# Altium PCB CM3_IO_V1.3_20220317.PcbDoc (part 3 of 7)
Units mil, origin at the board's own origin, x right, y up, seen from the top; angles counter-clockwise.
Board outline 6299.61 x 3544.09 mil, 4 copper layers (Top, GND, Power, Bottom), stack 35.4 mil thick; 551 components, 415 nets, 1958 pads, 2673 vias.
Unrouted connection lines stored in the file: 298.
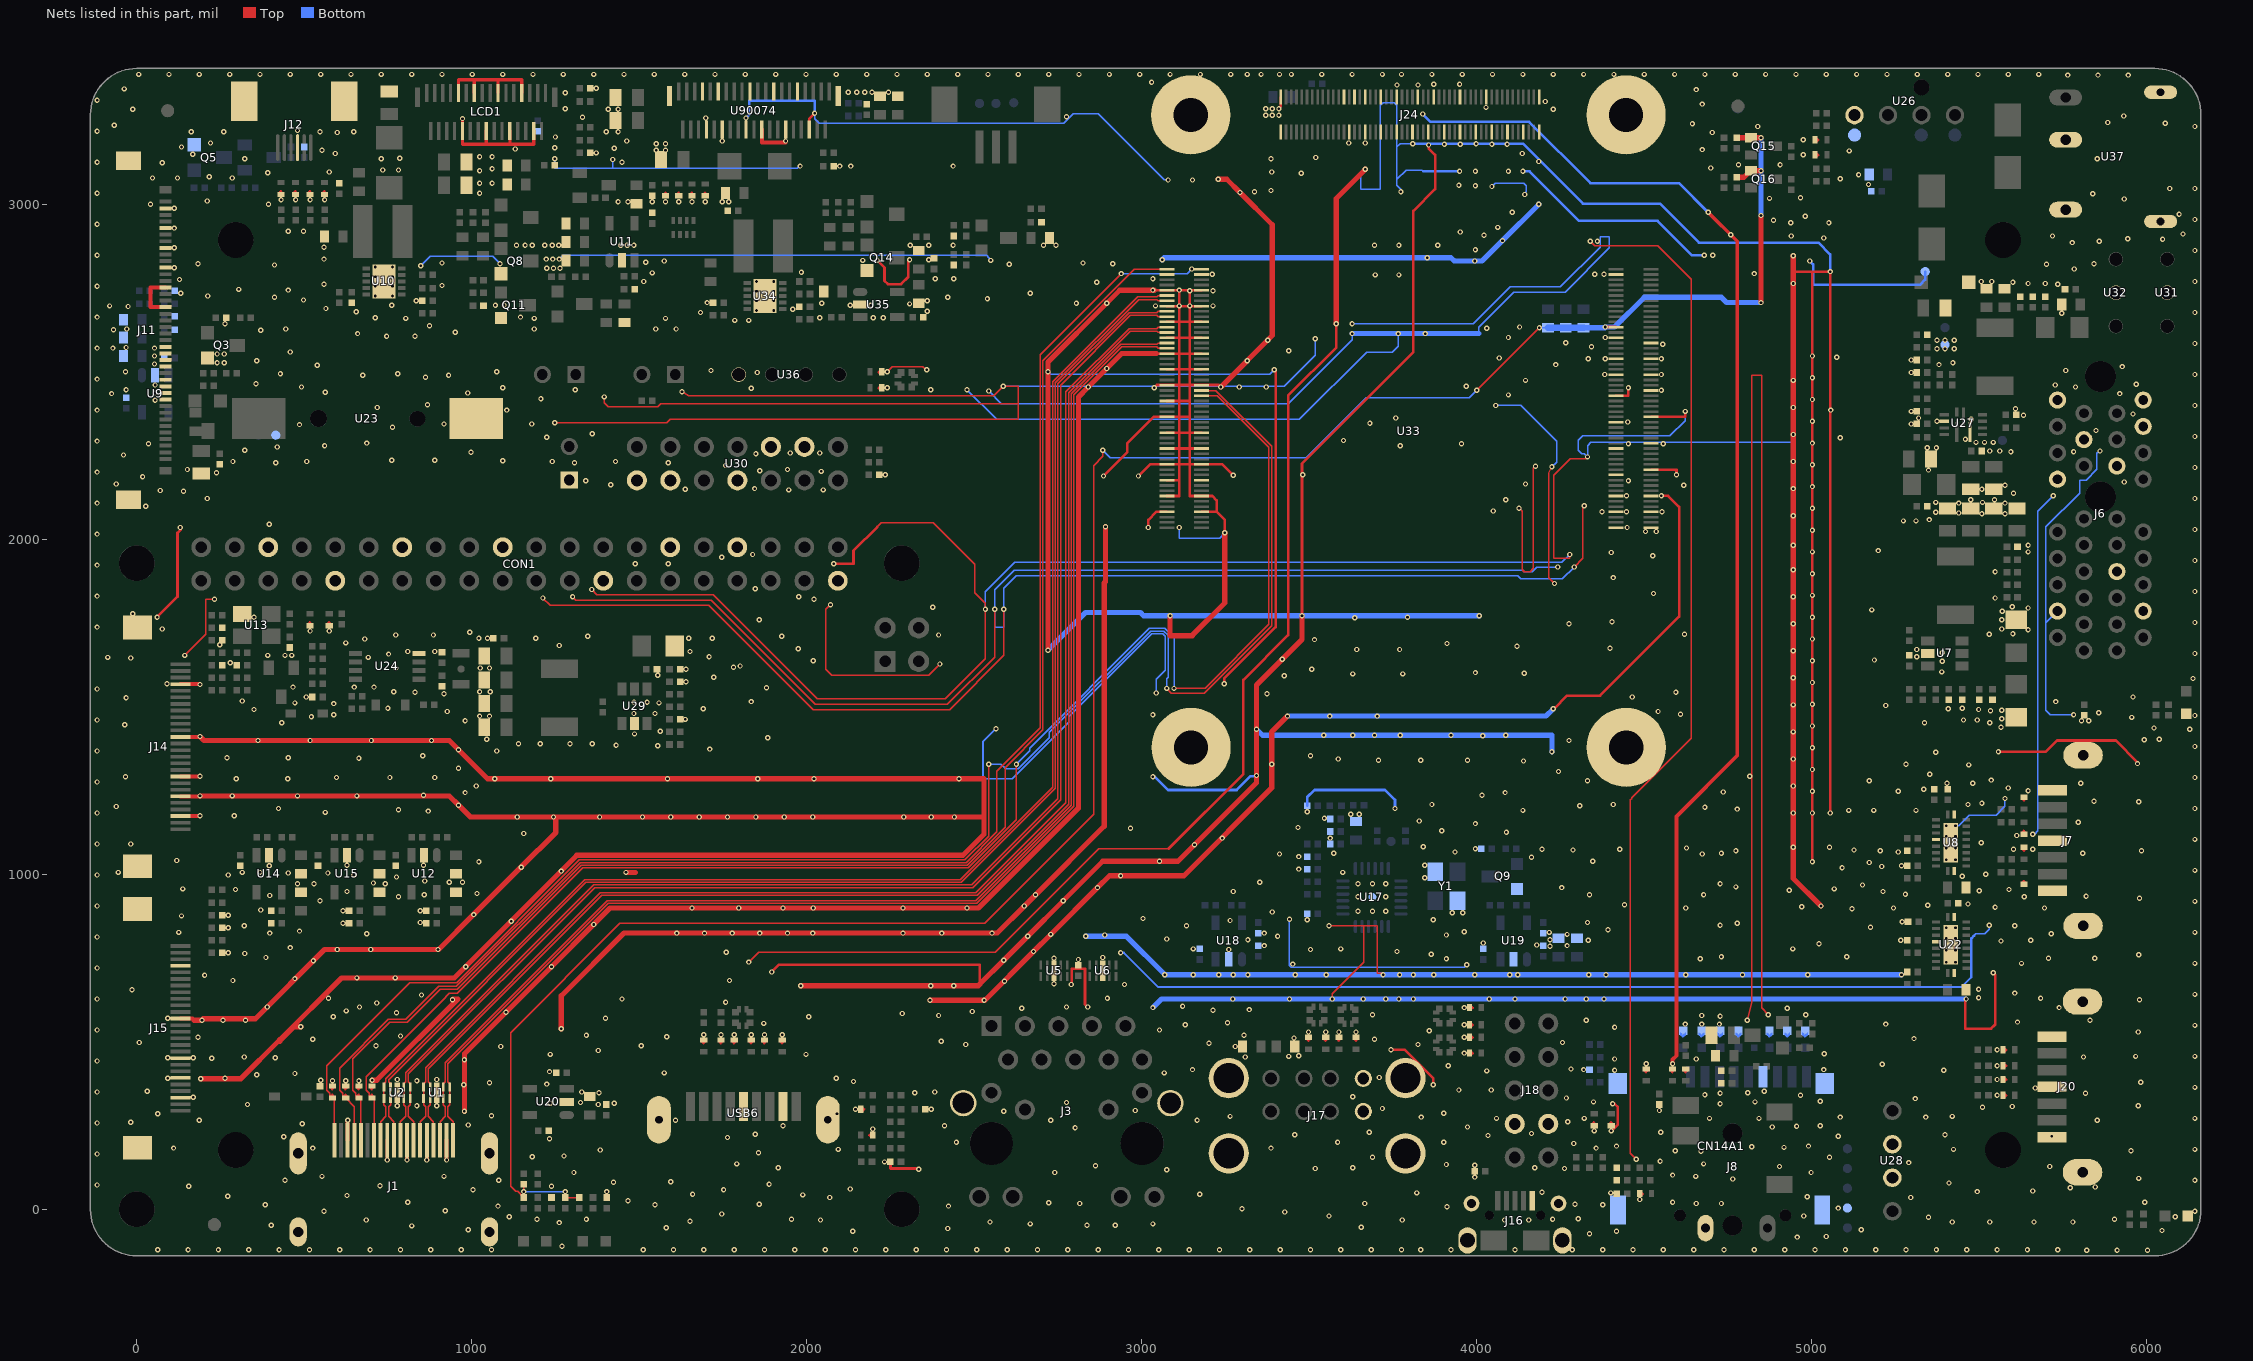
[diagram p5: the nets of this part, all layers, seen from the top]

## Via types
v1: diameter 15.75, hole 7.87, Top to Bottom, 2641 vias
v2: diameter 19.68, hole 11.81, Top to Bottom, 32 vias

## Nets (pads, with @x,y where several pads share a name; then routed paths per layer and width w, separated by ;. In a path a pad name is that pad's centre, name@x,y a point inside that pad or via, vN(x,y) a via of type N, cw(c..) or ccw(c..) an arc to the next point about the centre after c; other vN are vias at no path point) (continued)
GND: C1.2 C3.1 C4.2 C5.2 C7.2 C8.2 C10.2 C11.2 C13.2 C14.2 C19.2 C20.2 C21.2 C22.2 C27.2 C28.2 C29.2 C30.2 C35.2 C36.2 C37.2 C39.2 C40.2 C41.2 C42.2 C45.2 C46.2 C47.2 C48.2 C49.2 C50.2 C51.2 C52.2 C53.1 C54.2 C56.2 C57.2 C58.2 C59.2 C60.2 C61.2 C62.2 C63.2 C64.2 C65.2 C66.2 C67.2 C68.2 C69.2 C70.2 C71.2 C72.2 C73.2 C74.2 C75.2 C76.2 C77.2 C78.2 C79.2 C80.2 C81.2 C82.2 C83.1 C84.2 C85.2 C86.2 C87.2 C88.2 C89.2 C91.2 C92.2 C93.2 C94.2 C95.2 C96.2 C97.2 C98.2 C99.2 C100.2 C101.2 C109.2 C111.2 C123.2 C124.2 C125.2 C126.2 C127.2 C130.2 C131.2 C132.2 C133.2 C134.2 C135.2 C136.2 C137.2 C138.2 C139.2 C140.2 C141.2 C142.2 C143.2 C144.2 C146.2 C147.2 C149.2 C150.2 C151.1 C152.2 C153.2 C154.2 C155.2 C156.2 C157.2 C158.2 C159.2 C160.2 C161.2 C164.1 C166.2 C167.2 C168.2 C169.2 C170.2 C171.2 C172.2 C173.2 C174.2 C175.2 C176.2 CN14A1.6 CN14A1.10 CN14A1.11 CN14A1.12 CN14A1.13 CON1.6 CON1.9 CON1.14 CON1.20 CON1.25 CON1.30 CON1.34 CON1.39 D3.1 D4.1 D5.1 D6.1 D7.1 D8.1 D9.1 D10.1 D11.1 D12.1 D14.2 D15.2 D16.2 D17.2 D18.1 D19.1 D20.1 D21.1 D22.1 D23.1 D24.1 D25.1 D26.1 D27.1 D30.1 D31.1 D32.1 D33.1 D34.1 D35.1 D36.1 D37.1 D38.1 D39.1 D40.1 D41.1 D47.1 D48.1 D49.1 ED1.2 ED2.2 ED3.2 ED4.2 ED9.2 ED10.2 ED11.2 ED12.2 ED13.2 ED14.2 ED15.2 ED16.2 ED17.2 ED18.2 ED19.2 ED8197.1 ED8198.1 J1.2 J1.5 J1.8 J1.11 J1.17 J1.20 J1.21 J1.22 J1.23 J3.19 J3.20 J6.A4 J6.A12 J6.A15 J6.A18 J6.B4 J6.B7 J6.B13 J6.B16 J6.B18 J7.1 J7.4 J7.7 J7.8 J7.9 J8.2 J11.2 J11.5 J11.8 J11.11 J11.14 J11.17 J11.23 J11.24 J11.25 J11.26 J11.28 J11.29 J11.30 J11.31 J11.43 J11.44 J12.3 J12.7 J12.8 J14.4 J14.12 J14.18 J14.21 J14.24 J14.27 J14.28 J15.4 J15.12 J15.18 J15.21 J15.24 J15.27 J15.28 J16.5 J16.6 J16.7 J16.8 J16.9 J17.4 J17.8 J17.9 J17.10 J17.11 J17.12 J18.7 J18.8 J20.1 J20.4 J20.7 J20.8 J20.9 J22.1 J24.1 J24.2 J24.7 J24.13 J24.19 J24.22 J24.25 J24.31 J24.32 J24.37 J24.42 J24.43 J24.48 J24.49 J24.55 J24.56 J24.61 J24.62 J24.67 J24.68 J24.72 J24.73 J24.76 J24.99 J24.100 LCD1.9 LCD1.10 LCD1.13 LCD1.16 LCD1.19 LCD1.22 LCD1.25 LCD1.28 LED1.2 LED2.2 P6.1 Q3.2 Q5.2 Q8.2 Q9.2 Q11.2 Q14.2 R1.1 R7.1 R17.2 R18.2 R20.2 R25.1 R26.2 R30.1 R33.1 R38.1 R42.2 R43.2 R52.1 R55.2 R56.2 R60.2 R67.1 R75.1 R76.1 R77.1 R78.1 R97.1 R101.2 R102.2 R108.2 R115.2 R119.2 R127.2 R132.1 R133.2 R152.1 R154.1 R160.2 R161.2 R166.2 R174.2 R177.2 R182.2 R187.1 R189.2 R192.2 R195.2 R206.1 R208.1 R9209.2 TP1.1 TP7.1 TP11.1 TP16.1 U1.3 U1.8 U2.3 U2.8 U5.3 U5.8 U6.3 U6.8 U7.2 U8.4 U8.10 U8.19 U8.21 U9.2 U10.11 U11.2 U12.2 U13.2 U14.2 U15.2 U17.25 U18.2 U19.2 U20.2 U22.4 U22.10 U22.19 U22.21 U23.2 U24.4 U26.1 U27.2 U27.10 U28.2 U28.3 U29.2 U30.1 U30.3 U30.7 U30.10 U30.12 U31.2 U32.2 U33.1 U33.2 U33.7 U33.8 U33.13 U33.14 U33.22 U33.23 U33.32 U33.33 U33.42 U33.43 U33.52 U33.53 U33.59 U33.60 U33.65 U33.66 U33.71 U33.74 U33.98 U33.107 U33.108 U33.113 U33.114 U33.119 U33.120 U33.125 U33.126 U33.131 U33.132 U33.137 U33.138 U33.144 U33.150 U33.155 U33.156 U33.161 U33.162 U33.167 U33.168 U33.173 U33.174 U33.179 U33.180 U33.185 U33.186 U33.191 U33.192 U33.197 U33.198 U33.201 U33.202 U33.203 U33.204 U34.11 U35.2 U36.4 U37.2 U37.3 U37.4 U37.5 U90074.6 U90074.9 U90074.12 U90074.15 U90074.18 U90074.21 U90074.22 U90074.28 U90074.29 U90074.32 U90074.33 U90074.40 U90074.41 USB6.4 USB6.7 USB6.10 USB6.11 Y1.2 Y1.4 | length 103254.8
  Top w3.94: v1(143.7,1653.54) 206.69,1716.54 206.69,1820.87 v1(232.28,1820.87) ; v1(1212.6,1824.8) 1234.25,1803.15 1707.93,1803.15 2018.95,1492.13 2426.61,1492.13 2588.58,1654.1 v1(2588.58,1791.34) ; v1(1248.03,2348.43) 1582.68,2348.43 1592.52,2358.27 2631.89,2358.27 2631.89,2405.51 ; v1(1301.18,1828.74) 1311.02,1818.9 1714.45,1818.9 2025.47,1507.87 2420.08,1507.87 2561.02,1648.81 v1(2561.02,1791.34) ; v1(1358.27,1850.39) 1374.02,1834.65 1720.97,1834.65 2032,1523.62 2413.56,1523.62 2533.46,1643.53 v1(2533.46,1791.34) 2533.46,1809.06 2501.97,1840.55 2501.97,1925.2 2377.95,2049.21 2222.44,2049.21 2210.63,2037.4 ; v1(1395.67,2425.2) 1395.67,2407.48 1407.48,2395.67 1555.12,2395.67 1564.96,2405.51 2631.89,2405.51 ; v1(1627.95,2440.94) 1647.64,2429.13 2559.06,2429.13 v1(2586.61,2456.69) 2631.89,2456.69 2631.89,2405.51 ; v1(1826.77,738.19) 1856.3,767.72 2562.99,767.72 2872.05,1076.77 3080.71,1076.77 ; v1(2070.87,1805.12) 2057.09,1791.34 2057.09,1612.2 2074.8,1594.49 2364.17,1594.49 v1(2397.64,1627.95) ; v1(2240.16,2500) 2255.91,2515.75 2346.46,2515.75 2356.3,2505.91 v1(2358.27,2505.91) ; v1(3559.06,846.46) 3663.39,846.46 ; v1(3568.9,627.95) 3568.9,643.7 3663.39,738.19 3663.39,846.46 ; v1(3720.47,700.79) 3716.54,704.72 3702.76,704.72 3702.76,846.46 3663.39,846.46 ; v1(4125.98,2092.52) 4127.95,2092.52 4135.83,2084.65 4135.83,1909.45 4141.73,1903.54 4159.45,1903.54 4169.29,1913.39 4169.29,2212.6 v1(4175.2,2218.5) ; v1(4224.41,2216.54) 4214.57,2198.82 4214.57,1885.83 v1(4232.28,1868.11) ; v1(4277.56,1954.72) 4277.56,1942.91 4230.31,1942.91 4230.31,2190.94 4279.53,2240.16 4324.8,2240.16 v1(4330.71,2246.06) ; v1(4291.34,1917.32) 4316.93,1942.91 4316.93,2096.46 4320.87,2104.33 v1(4320.87,2100.39) ; v1(4338.58,2889.76) 4352.36,2875.98 4540.72,2875.98 4639.76,2776.94 4639.76,1405.84 4462.6,1228.67 4462.6,1226.38 4458.66,1222.44 4458.66,167.32 v1(4476.38,149.61) ; v1(4807.09,564.96) 4820.87,616.14 4820.87,2490.16 4850.39,2490.16 4850.39,602.36 v1(4870.08,580.71)
  Top w7.87: v1(61.02,1767.72) 122.05,1828.74 122.05,2019.68 131.89,2029.53 131.89,2033.46 v1(129.92,2035.43) ; v1(1895.67,708.66) 1917.32,730.31 2516.73,730.31 2516.73,672.24 ; U90074.6@2007.87,3223.43 2007.87,3255.91 v1(2023.62,3271.65) ; v1(2080.71,1927.17) 2139.76,1927.17 2139.76,1966.54 2210.63,2037.4 ; v1(2210.63,2832.68) 2232.28,2811.02 2232.28,2771.65 2242.13,2761.81 2281.5,2761.81 2303.15,2783.46 2303.15,2830.71 v1(2307.09,2834.65) ; R1.1@2250,141.73 2250,122.05 2332.68,122.05 v1(2334.65,120.08) ; v1(2789.37,671.26) 2791.34,673.23 2791.34,718.5 2830.71,718.5 2830.71,612.2 v1(2838.58,604.33) ; v1(2885.83,2188.98) 2956.69,2259.84 2956.69,2286.61 3035.63,2365.55 U33.144@3075.2,2365.55 3112.2,2365.55 ; v1(2990.16,2188.98) 3025,2223.82 U33.126@3075.2,2223.82 3112.2,2223.82 ; v1(3019.69,2035.43) 3019.69,2058.46 3043.31,2082.09 U33.108@3075.2,2082.09 ; v1(3037.4,2452.76) 3045.28,2460.63 3112.2,2460.63 ; v1@3037.4,2743.5 U33.192@3075.2,2743.5 v1@3112.2,2743.5 ; 3043.31,2554.53 U33.168@3075.2,2554.53 3112.2,2554.53 ; U33.114@3075.2,2129.33 3112.2,2129.33 3112.2,2176.57 ; U33.120@3075.2,2176.57 3112.2,2176.57 ; U33.132@3075.2,2271.06 3112.2,2271.06 ; U33.138@3075.2,2318.31 3111.64,2318.31 ; U33.150@3075.2,2412.8 3112.2,2412.8 ; U33.156@3075.2,2460.04 3112.2,2460.04 ; U33.162@3075.2,2507.28 3112.2,2507.28 ; U33.174@3075.2,2601.77 3112.2,2601.77 ; U33.180@3075.2,2649.02 3112.2,2649.02 ; U33.186@3075.2,2696.26 v1@3112.2,2696.26 ; 3080.71,1076.77 3303.15,1299.21 3303.15,1580.71 3437.01,1714.57 3437.01,2429.13 3580.71,2572.83 v1(3580.71,2643.7) ; v1(3112.2,2744.09) v1@3112.2,2743.5 ; v1@3143.7,2743.5 v1(3143.7,2742.13) v1(3143.7,2696.85) v1@3143.7,2696.26 ; U33.107@3179.13,2082.09 3223.82,2082.09 ; U33.131@3179.13,2271.06 3143.7,2271.06 ; U33.137@3179.13,2318.31 3143.7,2318.31 ; U33.155@3179.13,2460.04 3143.7,2460.04 ; U33.161@3179.13,2507.28 3143.7,2507.28 ; U33.167@3179.13,2554.53 3143.7,2554.53 ; U33.173@3179.13,2601.77 3143.7,2601.77 ; U33.179@3179.13,2649.02 3143.7,2649.02 ; U33.185@3179.13,2696.26 v1@3143.7,2696.26 ; U33.191@3179.13,2743.5 v1@3112.2,2743.5 ; v1(3236.22,2454.72) 3230.31,2460.63 3143.7,2460.63 ; v1(3246.06,1568.9) 3246.06,1584.65 3399.61,1738.19 3399.61,2501.97 v1(3395.67,2505.91) ; v1(3248.03,2019.68) 3248.03,2058.46 3224.41,2082.09 3223.82,2082.09 ; v1(3273.62,2190.94) 3240.75,2223.82 U33.125@3179.13,2223.82 3143.7,2223.82 ; v1(3409.45,3285.43) 3414.76,3290.75 J24.100@3414.76,3320.08 ; v1(3478.35,1771.65) 3478.35,2226.38 3811.02,2559.06 3811.02,2980.31 3875.98,3045.28 3875.98,3147.64 3856.3,3167.32 v1(3856.3,3177.17) ; v1(3744.09,476.38) 3785.43,476.38 3870.08,391.73 v1(3870.08,372.05) ; v1(4228.35,1494.09) 4230.31,1494.09 4269.69,1533.46 4368.11,1533.46 4604.33,1769.68 4604.33,2096.46 4570.87,2129.92 v1(4551.18,2129.92) ; v1(4401.57,234.25) 4421.26,253.94 4421.26,305.12 4411.42,314.96 v1(4405.51,314.96) ; U33.52@4415.75,2428.54 4452.76,2428.54 v1(4452.76,2452.76) ; U33.23@4520.47,2208.07 4596.46,2208.07 v1(4596.46,2192.91) ; U33.43@4520.47,2365.55 4622.05,2365.55 v1(4622.05,2381.89) ; 4944.88,2799.21 5001.97,2799.21 ; v1(5001.97,1037.4) 5001.97,2799.21 ; v1(5055.12,1183.07) v1(5055.12,2799.21) 5001.97,2799.21 ; v1(5460.63,627.95) 5458.66,625.98 5458.66,539.37 5535.43,539.37 5547.24,551.18 5547.24,700.79 v1(5541.34,706.69) ; v1(5557.09,1366.14) 5698.82,1366.14 5732.28,1399.61 5907.48,1399.61 5972.44,1334.65 v1(5972.44,1330.71) ; 3111.64,2318.31 3112.2,2317.74 ; 3111.64,2318.31 3112.2,2318.31 ; 3112.2,2176.57 3112.2,2223.82 ; 3112.2,2223.82 3143.7,2223.82 ; 3112.2,2223.82 3112.2,2271.06 ; 3112.2,2271.06 3112.2,2317.74 ; 3112.2,2271.06 3143.7,2271.06 ; 3112.2,2317.74 3112.2,2318.31 ; 3112.2,2318.31 3143.7,2318.31 ; 3112.2,2318.31 3112.2,2365.55 ; 3112.2,2365.55 3143.7,2365.55 ; 3112.2,2365.55 3112.2,2412.8 ; 3112.2,2412.8 3143.7,2412.8 ; 3112.2,2412.8 3112.2,2460.04 ; 3112.2,2460.04 3143.7,2460.04 ; 3112.2,2460.04 3112.2,2460.63 ; 3112.2,2460.63 3112.2,2507.28 ; 3112.2,2460.63 3143.7,2460.63 ; 3112.2,2507.28 3143.7,2507.28 ; 3112.2,2507.28 3112.2,2554.53 ; 3112.2,2554.53 3143.7,2554.53 ; 3112.2,2554.53 3112.2,2601.77 ; 3112.2,2601.77 3143.7,2601.77 ; 3112.2,2601.77 3112.2,2649.02 ; 3112.2,2649.02 3143.7,2649.02 ; 3112.2,2649.02 v1@3112.2,2696.26 ; v1@3112.2,2696.26 v1@3143.7,2696.26 ; v1@3112.2,2696.26 v1(3112.2,2696.85) v1@3112.2,2743.5 ; 3143.7,2223.82 3143.7,2271.06 ; 3143.7,2223.82 3143.7,2129.33 U33.113@3179.13,2129.33 3210.63,2129.33 3223.82,2116.14 3223.82,2082.09 ; 3143.7,2271.06 3143.7,2318.31 ; 3143.7,2318.31 3143.7,2365.55 ; 3143.7,2365.55 3143.7,2412.8 ; 3143.7,2412.8 3143.7,2460.04 ; 3143.7,2460.04 3143.7,2460.63 ; 3143.7,2460.63 3143.7,2507.28 ; 3143.7,2507.28 3143.7,2554.53 ; 3143.7,2554.53 3143.7,2601.77 ; 3143.7,2601.77 3143.7,2649.02 ; 3143.7,2649.02 v1@3143.7,2696.26
  Top w9.84: LCD1.9@960.63,3332.68 960.63,3372.05 1007.87,3372.05 ; v1(972.44,3255.91) 972.44,3179.13 1043.3,3179.13 ; LCD1.13@1007.87,3332.68 1007.87,3372.05 ; LCD1.16@1043.3,3219.5 1043.3,3179.13 ; LCD1.19@1078.74,3332.68 1078.74,3372.05 ; LCD1.22@1114.17,3219.5 1114.17,3179.13 ; LCD1.25@1149.6,3332.68 1149.6,3372.05 1078.74,3372.05 ; LCD1.28@1185.04,3219.5 1185.04,3179.13 1114.17,3179.13 ; 1007.87,3372.05 1078.74,3372.05 ; 1043.3,3179.13 1114.17,3179.13
  Top w11.81: J11.17@86.61,2692.91 41.34,2692.91 41.34,2751.97 J11.14@86.61,2751.97 ; J15.12@131.1,569.68 166.54,569.68 171.26,564.96 ; J14.24@131.1,1174.02 187.8,1174.02 v1(188.98,1175.2) ; J14.21@131.1,1233.08 187.8,1233.08 v1(188.98,1234.25) ; J14.18@131.1,1292.13 187.8,1292.13 v1(188.98,1293.31) ; J14.12@131.1,1410.24 187.79,1410.24 v1(188.98,1411.42) ; J14.4@131.1,1567.72 188.19,1567.72 v1(188.98,1566.93) ; J1.17@629.93,206.69 v1(629.92,265.75) ; v1(748.03,147.64) J1.11@748.04,206.69 ; v1(807.09,147.64) J1.8@807.09,206.69 ; v1(866.14,147.64) J1.5@866.15,206.69 ; v1(925.2,147.64) J1.2@925.2,206.69 ; U90074.18@1866.14,3223.43 1866.14,3185.04 1937.01,3185.04 v1(1937.01,3188.98) ; v1(4584.65,435.04) 4584.65,446.85 4596.46,458.66 4596.46,1173.23 4777.56,1354.33 4777.56,2889.76 v1(4690.94,2976.38)
  Top w15.75: 171.26,564.96 v1(194.88,564.96) 198.82,568.9 354.33,568.9 561.02,775.59 v1(598.43,775.59) v1(698.82,775.59) v1(899.61,775.59) 901.57,775.59 v1(1005.91,879.92) v1(1147.64,1021.65) 1251.18,1125.2 v1@1251.18,1171.26 ; v1(188.98,1234.25) 933.07,1234.25 v1(960.63,1206.69) 996.06,1171.26 v1(1135.83,1171.26) v1(1244.09,1171.26) v1@1251.18,1171.26 ; v1(188.98,1411.42) 200.79,1399.61 v1(362.2,1399.61) v1(517.72,1399.61) v1(700.79,1399.61) v1(879.92,1399.61) 933.07,1399.61 v1(960.63,1372.05) 1047.24,1285.43 v1(1068.9,1285.43) v1(1236.22,1285.43) v1(1584.65,1285.43) v1(1854.33,1285.43) v1(2021.65,1285.43) v1(2454.72,1285.43) 2529.53,1285.43 2529.53,1171.26 ; v1(190.94,389.76) 310.41,389.76 427.17,506.52 ; v1(490.16,545.28) 470.47,545.28 427.17,501.97 427.17,506.52 ; v1(702.76,385.83) 716.71,385.83 958.83,627.95 944.88,627.95 v1(942.91,625.98) ; v1(978.35,293.31) 978.35,464.57 v1(1102.36,588.58) v1(1238.19,724.41) v1(1364.17,850.39) 1413.39,899.61 v1(1657.48,899.61) v1(1797.24,899.61) v1(1929.13,899.61) v1(2019.69,899.61) v1(2287.4,899.61) v1(2478.35,899.61) 2512.85,899.61 2811.02,1197.78 2811.02,2425.2 v1(2840.55,2454.72) v1(2895.67,2509.84) 2940.35,2554.53 3043.31,2554.53 ; v1(1267.72,539.37) 1267.72,637.8 1454.72,824.8 v1(1612.2,824.8) v1(1694.88,824.8) v1(1777.56,824.8) v1(1860.24,824.8) v1(1942.91,824.8) v1(2017.72,824.8) v1(2287.4,824.8) v1(2403.54,824.8) v1(2553.15,824.8) 2568.9,824.8 v1(2649.61,905.51) v1(2683.07,938.98) 2887.8,1143.7 2887.8,1869.86 2891.73,1873.8 v1(2891.73,2037.4) ; v1(1460.63,1005.91) 1488.19,1005.91 ; v1(1982.28,667.32) 2511.81,667.32 2516.73,672.24 v1(2588.58,744.09) v1(2659.45,814.96) v1(2765.75,921.26) 2883.86,1039.37 v1(3053.15,1039.37) 3108.27,1039.37 v1(3157.48,1088.58) 3342.52,1273.62 v1(3342.52,1295.28) v1(3342.52,1433.07) 3342.52,1564.96 v1(3419.29,1641.73) 3478.35,1700.79 v1(3478.35,1771.65) ; v1(2368.11,624.02) 2531.5,624.02 v1(2677.17,769.68) v1(2728.35,820.87) v1(2868.11,960.63) 2903.54,996.06 v1(2937.01,996.06) 3126.21,996.06 3387.8,1257.65 v1(3387.8,1328.74) 3387.8,1425.2 v1(3435.04,1472.44) ; v1(2720.47,1669.29) v1(2720.47,2500) 2720.47,2529.53 v1(2895.67,2704.72) 2934.45,2743.5 v1@3037.4,2743.5 ; v1(3084.65,1771.65) 3084.65,1712.6 3150.48,1712.6 3248.03,1810.15 v1(3248.03,2019.68) ; v1(3228.35,3074.8) 3253.94,3074.8 v1(3293.31,3035.43) 3389.76,2938.98 3389.76,2608.27 v1(3236.22,2454.72) ; v1(3580.71,2643.7) 3580.71,3017.72 v1(3667.32,3104.33) ; v1(4944.88,2846.46) 4944.88,2799.21 4944.88,988.19 v1(5027.56,905.51) ; 427.17,506.52 611.59,690.94 v1(657.48,690.94) v1(771.65,690.94) 947.92,690.94 1314.06,1057.09 2466.82,1057.09 2529.53,1119.8 2529.53,1171.26 ; v1@1251.18,1171.26 v1(1381.89,1171.26) v1(1509.84,1171.26) v1(1594.49,1171.26) v1(1679.13,1171.26) v1(1763.78,1171.26) v1(1848.43,1171.26) v1(1933.07,1171.26) v1(2017.72,1171.26) v1(2289.37,1171.26) v1(2372.05,1171.26) v1(2440.94,1171.26) 2529.53,1171.26
  Bottom w3.94: v1(848.43,2816.93) 875.98,2844.49 1062.99,2844.49 v1(1084.65,2822.83) ; v1(1248.03,3135.83) 1248.03,3108.27 1421.26,3108.27 ; v1(1261.81,2836.61) 1273.62,2848.43 2537.4,2848.43 v1(2549.21,2832.68) ; v1(1421.26,3133.86) 1421.26,3108.27 ; v1(1980.31,3114.17) 1978.35,3114.17 1972.44,3108.27 1421.26,3108.27 ; v1(2023.62,3271.65) 2023.62,3255.91 2037.4,3242.13 2767.72,3242.13 2795.28,3269.68 2870.08,3269.68 3066.93,3072.83 v1(3078.74,3072.83) ; v1(2478.35,2446.85) 2566.93,2358.27 3470.47,2358.27 3671.26,2559.06 3748.03,2559.06 3765.75,2576.77 v1(3765.75,2614.17) ; 2525.59,1285.43 2613.3,1285.43 2781.5,1453.63 2781.5,1470.27 3029.73,1718.5 3062.79,1718.5 3070.87,1710.43 3070.87,1609.42 3043.31,1581.86 v1(3043.31,1541.34) ; v1(2533.46,1791.34) 2533.46,1843.99 2620.58,1931.1 4253.94,1931.1 v1(4277.56,1954.72) ; v1(2543.31,2442.91) 2580.71,2405.51 3437.01,2405.51 3627.95,2596.46 v1(3627.95,2614.17) ; v1(2586.61,2456.69) 3425.2,2456.69 3517.72,2549.21 v1(3517.72,2598.43) ; v1(2720.47,2500) 2728.35,2492.13 3381.89,2492.13 v1(3395.67,2505.91) ; v1(3112.2,2035.43) 3112.2,2003.94 3232.28,2003.94 v1(3248.03,2019.68) ; v1(3440.94,866.14) 3440.94,728.35 3446.85,722.44 3962.6,722.44 v1(3970.47,730.31) ; v1(3627.95,2643.7) 3990.16,2643.7 4100.39,2753.94 4250,2753.94 4368.11,2872.05 4368.11,2903.54 4395.67,2903.54 4395.67,2870.08 4263.78,2738.19 4110.24,2738.19 4005.91,2633.86 4005.91,2614.17 ; v1(3667.32,3104.33) 3653.54,3090.55 3653.54,3045.28 3712.6,3045.28 3712.6,3295.28 3720.47,3303.15 3753.94,3303.15 3761.81,3295.28 3761.81,3171.26 ; v1(3773.62,3037.4) 3773.62,3045.28 3761.81,3057.09 3761.81,3074.8 ; v1(3809.06,3181.1) 3771.65,3181.1 3761.81,3171.26 ; 3840.55,3098.43 3836.61,3102.36 3789.37,3102.36 3761.81,3074.8 ; v1(4045.28,3053.15) 4055.12,3062.99 4139.76,3062.99 4147.64,3055.12 4147.64,3037.4 4143.7,3033.46 v1(4143.7,3029.53) ; v1(4057.09,2399.61) 4131.89,2399.61 4238.19,2293.31 4238.19,2230.31 v1(4224.41,2216.54) ; v1(4242.13,1917.32) 4179.13,1917.32 4165.35,1903.54 4141.73,1903.54 4137.8,1907.48 2619.23,1907.48 2561.02,1849.27 v1(2561.02,1791.34) 2561.02,1738.19 2588.58,1738.19 v1(2588.58,1791.34) 2588.58,1854.56 2625.75,1891.73 4122.05,1891.73 4131.89,1881.89 4255.91,1881.89 v1(4291.34,1917.32) ; v1(4622.05,2381.89) 4622.05,2354.53 4576.57,2309.06 4316.93,2309.06 4303.15,2295.28 4303.15,2265.95 4313.65,2255.45 4321.32,2255.45 v1(4330.71,2246.06) 4330.71,2279.53 4340.55,2289.37 4944.88,2289.37 v1(4944.88,2312.99) ; v1(5429.13,1145.67) 5438.98,1145.67 5470.47,1177.17 5551.18,1177.17 5576.77,1202.76 v1(5576.77,1226.38) ; 5484.25,816.93 5490.16,822.83 5515.75,822.83 5529.53,836.61 v1(5529.53,848.43) ; v1(5659.45,1120.08) 5665.35,1120.08 5675.2,1129.92 5675.2,2084.65 v1(5720.47,2129.92) ; J6.A4@5733.46,1785.83 5698.82,1751.18 ; v1(5781.5,1476.38) 5712.6,1476.38 5698.82,1490.16 5698.82,1751.18 ; v1(5860.24,2263.78) 5854.33,2257.87 5850.39,2257.87 5850.39,2208.66 5818.9,2177.17 5799.21,2177.17 5799.21,2137.8 5698.82,2037.4 5698.82,1751.18 ; 3761.81,3074.8 3761.81,3171.26
  Bottom w5.91: v1(2454.72,1285.43) 2525.59,1285.43 2525.59,1395.67 v1(2564.96,1435.04) ; 2946.85,765.75 3049.21,663.39 5446.85,663.39 5476.38,692.91
  Bottom w7.87: v1(1818.9,3257.87) 1828.74,3267.72 1828.74,3309.06 2023.62,3309.06 v1(2023.62,3271.65) ; v1(2937.01,765.75) 2946.85,765.75 ; v1(3033.46,1291.34) 3039.37,1291.34 3078.74,1251.97 3283.46,1251.97 3324.8,1293.31 3340.55,1293.31 v1(3342.52,1295.28) ; C85.2@3494.09,1204.72 3494.09,1230.31 3515.75,1251.97 3726.38,1251.97 3755.91,1222.44 v1(3755.91,1196.85) ; v1(3809.06,3181.1) v1(3998.03,3181.1) 4137.8,3181.1 4316.93,3001.97 4547.24,3001.97 4663.39,2885.83 5019.69,2885.83 5055.12,2850.39 v1(5055.12,2799.21) ; v1(3838.58,3269.68) 3862.2,3246.06 4156.55,3246.06 4339.62,3062.99 4604.33,3062.99 v1(4690.94,2976.38) ; 3840.55,3098.43 v1(3948.82,3098.43) ; v1(4137.8,3098.43) 4157.48,3098.43 4305.12,2950.79 4539.37,2950.79 4641.73,2848.43 v1(4679.13,2848.43) ; v1(4994.09,2830.71) 5003.94,2820.87 5003.94,2759.84 5322.83,2759.84 5338.58,2775.59 TP11.1@5338.58,2799.21 ; 5476.38,692.91 5476.38,809.06 5484.25,816.93
  Bottom w15.75: v1(2720.47,1669.29) 2832.68,1781.5 2996.2,1781.5 3006.05,1771.65 v1(3084.65,1771.65) v1(3478.35,1771.65) v1(4007.87,1771.65) ; v1(2832.68,814.96) 2954.72,814.96 v1(3068.9,700.79) v1(5267.72,700.79) ; v1(3033.46,602.36) 3059.06,627.95 v1(3271.65,627.95) v1(3440.94,627.95) v1(3568.9,627.95) v1(3661.42,627.95) v1(3728.35,627.95) v1(3767.72,627.95) v1(3811.02,627.95) v1(4037.4,627.95) v1(4114.17,627.95) v1(4263.78,627.95) v1(4326.77,627.95) v1(4379.92,627.95) v1(5460.63,627.95) ; v1(3061.02,2834.65) 3066.93,2840.55 v1(3852.36,2840.55) 3923.23,2840.55 3933.07,2830.71 4015.75,2830.71 v1(4076.77,2891.73) v1(4185.04,3000) ; v1(3342.52,1433.07) 3360.24,1415.35 v1(3543.31,1415.35) v1(3629.92,1415.35) v1(3694.88,1415.35) v1(3771.65,1415.35) v1(3923.23,1415.35) v1(4086.61,1415.35) 4224.41,1415.35 v1(4224.41,1366.14) ; v1(3435.04,1472.44) 4206.69,1472.44 v1(4228.35,1494.09) ; v1(3627.95,2614.17) v1(3765.75,2614.17) 4005.91,2614.17